# Allegro board 8880F5-0825_4.brd (continued)
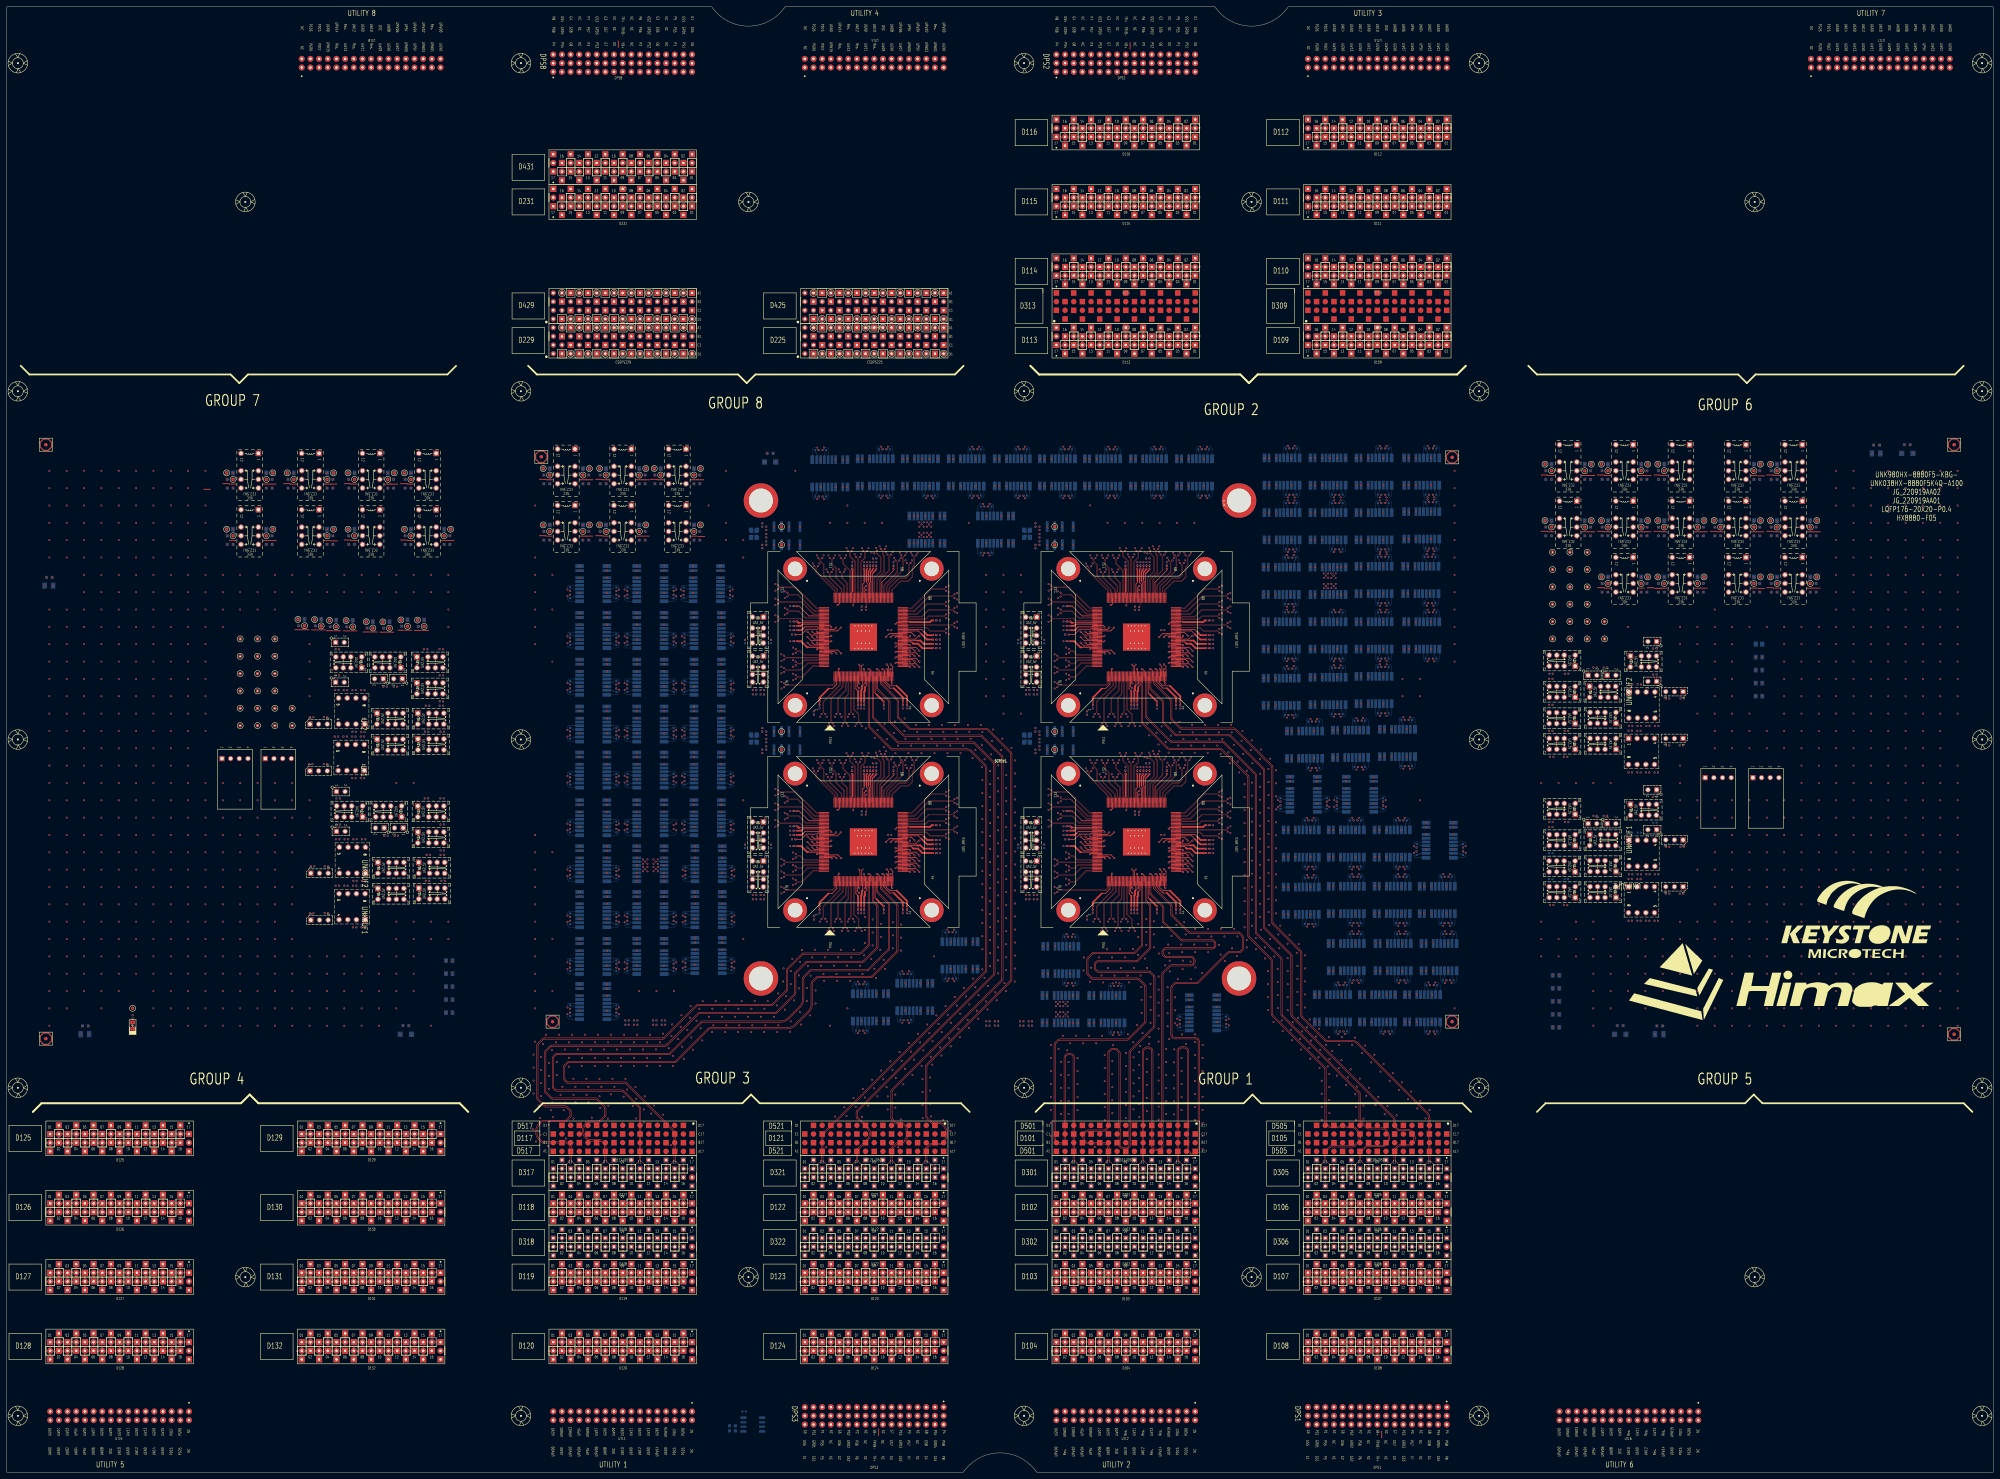
[diagram p0: board, top side]
## Routing (per net, layer and track width the routed paths; a pad name or vN(x,y) marks a point on that pad's centre or on a via; arc(x,y) is an arc through that point) (continued)
N26504569: length 3
  BOTTOM w0.119: UNK4R32.1 425.92,180.84 425.44,181.32 UNK4K7.4
N26504570: length 3
  BOTTOM w0.119: UNK4R33.2 413.3,183.99 413.77,183.52 UNK4K7.6
N26504612: length 3
  BOTTOM w0.119: UNK4R39.2 380.15,190.46 380.62,189.99 UNK4K11.3
N26504613: length 3
  BOTTOM w0.119: UNK4K11.4 382.82,189.99 383.29,190.46 UNK4R40.1
N26504614: length 3
  BOTTOM w0.119: UNK4K8.5 405.17,130.05 405.64,129.58 UNK4R38.1
N26504616: length 3
  BOTTOM w0.119: UNK4R37.2 402.5,129.58 402.97,130.05 UNK4K8.6
N26504617: length 3
  BOTTOM w0.119: UNK4K11.6 380.62,178.31 380.15,177.84 UNK4R41.2
N26504618: length 3
  BOTTOM w0.119: UNK4R42.1 383.29,177.84 382.82,178.31 UNK4K11.5
N26504660: length 3
  BOTTOM w0.119: UNK4K5.5 396.03,145.04 396.5,144.57 UNK4R26.1
N26504662: length 3
  BOTTOM w0.119: UNK4R23.2 393.35,157.18 393.83,156.71 UNK4K5.3
N26504663: length 3
  BOTTOM w0.119: UNK4K5.4 396.03,156.71 396.5,157.18 UNK4R24.1
N26504664: length 3
  BOTTOM w0.119: UNK4K5.6 393.83,145.04 393.35,144.57 UNK4R25.2
N26504685: length 3
  BOTTOM w0.119: UNK4R18.1 326.39,129.33 325.92,129.8 UNK4K3.5
N26504686: length 3
  BOTTOM w0.119: UNK4R17.2 323.25,129.33 323.72,129.8 UNK4K3.6
N26504687: length 3
  BOTTOM w0.119: UNK4K3.4 325.92,141.47 326.39,141.94 UNK4R16.1
N26504688: length 3
  BOTTOM w0.119: UNK4R15.2 323.25,141.94 323.72,141.47 UNK4K3.3
N26504691: length 3
  BOTTOM w0.119: UNK4K1.5 422.7,161.8 423.17,161.33 UNK4R10.1
N26504692: length 3
  BOTTOM w0.119: UNK4K1.6 420.5,161.8 420.02,161.33 UNK4R9.2
N26504693: length 3
  BOTTOM w0.119: UNK4R8.1 423.17,173.95 422.7,173.48 UNK4K1.4
N26504694: length 3
  BOTTOM w0.119: UNK4R7.2 420.02,173.95 420.5,173.48 UNK4K1.3
N26504696: length 3
  BOTTOM w0.119: UNK4K2.3 407.54,156.71 407.07,157.18 UNK4R11.2
N26504697: length 3
  BOTTOM w0.119: UNK4K2.4 409.74,156.71 410.21,157.18 UNK4R12.1
N26504698: length 3
  BOTTOM w0.119: UNK4K4.5 411.01,207.78 411.48,207.31 UNK4R22.1
N26504700: length 3
  BOTTOM w0.119: UNK4R19.2 408.34,219.92 408.81,219.45 UNK4K4.3
N26504701: length 3
  BOTTOM w0.119: UNK4K4.4 411.01,219.45 411.48,219.92 UNK4R20.1
N26504702: length 3
  BOTTOM w0.119: UNK4R21.2 408.34,207.31 408.81,207.78 UNK4K4.6
N26504703: length 3
  BOTTOM w0.119: UNK4K2.5 409.74,145.04 410.21,144.57 UNK4R14.1
N26504704: length 3
  BOTTOM w0.119: UNK4R13.2 407.07,144.57 407.54,145.04 UNK4K2.6
N26504896:
  vias: v1(456.25,190.45)
N26504897:
  vias: v1(451.68,190.45)
N26504904:
  vias: v1(302.38,213.82) v1(302.38,212.66) v1(304.65,211.67)
N26504906:
  vias: v1(302.38,215.98) v1(302.38,214.82) v1(304.65,216.97)
N26504907:
  vias: v1(301.21,216.98) v1(302.38,216.98)
N26504908:
  vias: v1(301.21,211.66) v1(302.38,211.66)
N26504937:
  vias: v1(451.62,188.98)
N26505003:
  vias: v1(483.1,197.87)
N26509126:
  vias: v1(491.1,183.24)
N26509130:
  vias: v1(490.86,169.47)
N26509132:
  vias: v1(485.8,169.47)
N26509139:
  vias: v1(477.53,175.15)
N26509173:
  vias: v1(477.43,161.55)
N26509211:
  vias: v1(485.8,183.19)
N26509969:
  vias: v1(511.6,274.32)
N26509975:
  vias: v1(518.37,290.83)
N26509980:
  vias: v1(528.11,274.32)
N26510100:
  vias: v1(478.58,257.81)
N26510106:
  vias: v1(528.11,257.81)
N26510178:
  vias: v1(511.6,257.81)
N26510184:
  vias: v1(495.09,257.81)
N26510317:
  vias: v1(518.37,257.81)
N26510323:
  vias: v1(468.84,257.81)
N26510327:
  vias: v1(485.35,257.81)
N26510329:
  vias: v1(518.37,274.32)
N26510335:
  vias: v1(501.86,274.32)

## Copper pours and planes (outline as drawn; the poured copper is in the pictures)
GND on L03_SIGNAL, L28_SIGNAL: 1.02,1.27 1.02,427.99 205.54,427.99 216.92,422.32 228.3,427.99 352.84,427.99 364.23,422.27 375.62,427.99 580.13,427.99 580.13,1.27 301.95,1.27 290.57,6.93 279.19,1.27

## Text on the board
User.Comments: CR_SS_6 | CR_2_2 | CR_RELAY_19 | CR_4_2 | CR_3_1 | CR_2_3 | CR_UNNAMED_2 | CR_UNNAMED_3 | CR_QQ_28 | CR_A_23 | CR_5_1 | CR_5_2 | CR_QQ_12 | CR_QQ_11 | CR_A_28 | CR_A_21 | CR_A_25 | CR_A_26 | CR_A_30 | CR_A_32 | CR_A_22 | CR_A_24 | CR_A_27 | CR_A_29 | CR_A_31 | CR_A_20
